# Allegro board RK_TABLET_DEMO1_RK3576_LP4XD200P132SD6_V12_20240530YWQ.brd
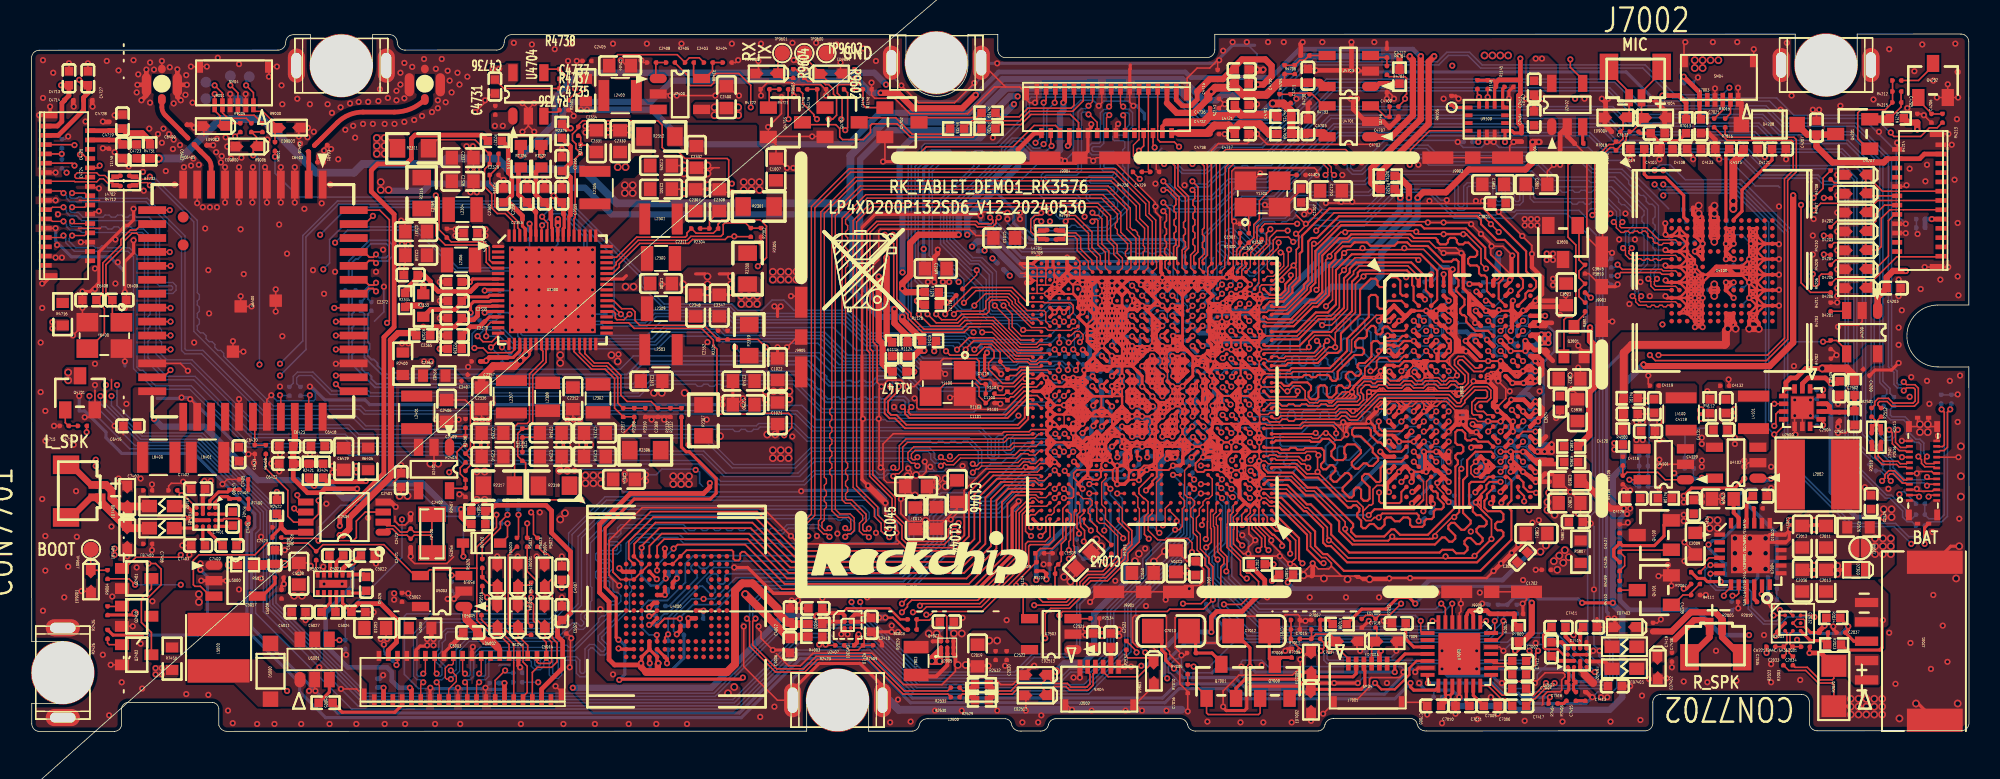
[diagram p0: board, top side]
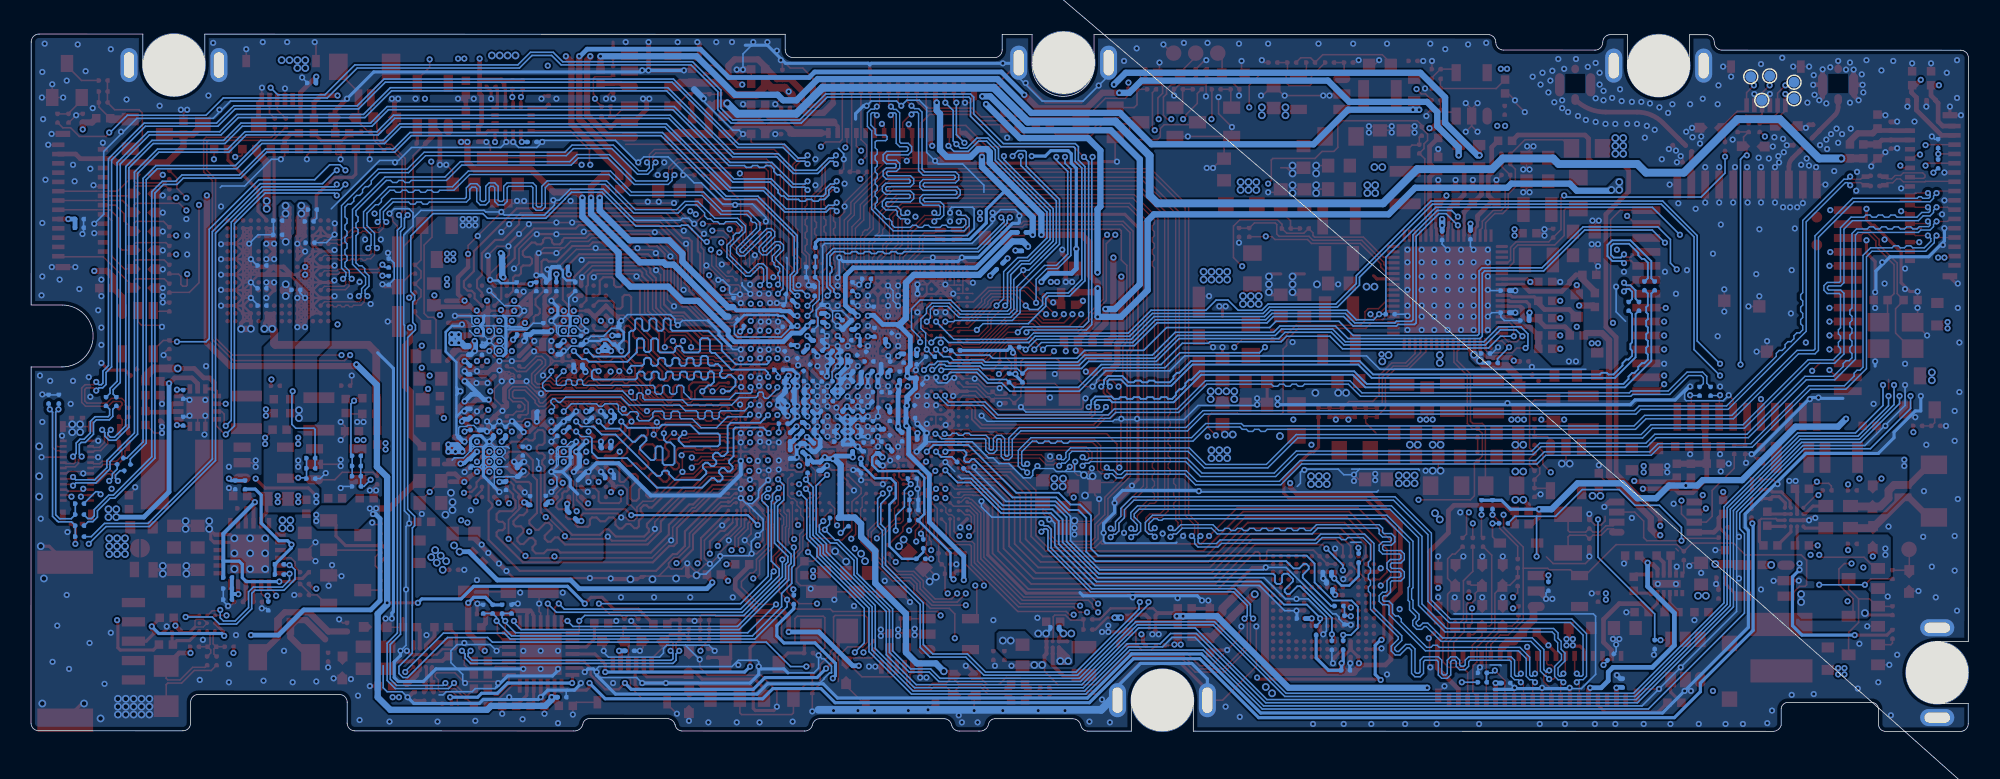
[diagram p1: board, bottom side, seen from below]

Outline 125.02 x 45.04 mm; copper layers: TOP, L2-GND, L3-POWER, L4-SIG, L5-GND, BOTTOM. Coordinates in mm from the lower left corner of the outline.
Outline path: 0,43.5 arc(0.15,43.85) 0.5,44 15.9,44.01 arc(16.25,44.15) 16.4,44.51 arc(16.55,44.86) 16.9,45.01 18,45.01 18,43.01 arc(20,41.01) 22,43.01 22,45.01 23.1,45.01 arc(23.45,44.86) 23.6,44.51 arc(23.75,44.15) 24.1,44.01 30,44.01 arc(30.35,44.16) 30.5,44.51 arc(30.65,44.86) 31,45.01 56.42,45.02 56.42,43.02 arc(58.42,41.02) 60.42,43.02 60.42,45.02 62.35,45.02 62.35,44.02 arc(62.5,43.67) 62.85,43.52 75.85,43.53 arc(76.2,43.67) 76.35,44.03 76.35,45.03 113.8,45.04 113.8,43.04 arc(115.8,41.04) 117.8,43.04 117.8,45.04 124.5,45.04 arc(124.85,44.9) 125,44.54 125.01,27.54 123.01,27.54 arc(121.01,25.54) 123.01,23.54 125.01,23.54 125.02,0.54 arc(124.87,0.19) 124.52,0.04 115.22,0.04 arc(114.86,0.19) 114.72,0.54 114.71,1.89 arc(114.57,2.24) 114.21,2.39 105.11,2.39 arc(104.76,2.24) 104.61,1.89 104.62,0.54 arc(104.47,0.18) 104.12,0.04 90.02,0.03 arc(89.64,0.12) 89.42,0.43 arc(89.29,0.7) 89.02,0.83 84.02,0.83 arc(83.66,0.73) 83.46,0.43 arc(83.31,0.15) 83.02,0.03 75.09,0.03 arc(74.77,0.14) 74.6,0.43 arc(74.42,0.71) 74.11,0.83 66.11,0.82 arc(65.79,0.71) 65.62,0.42 arc(65.44,0.14) 65.13,0.02 63.84,0.02 arc(63.47,0.12) 63.24,0.42 arc(63.11,0.69) 62.84,0.82 57.84,0.82 arc(57.49,0.72) 57.28,0.42 arc(57.13,0.14) 56.84,0.02 54.02,0.02 54.01,2.02 arc(52.01,4.02) 50.01,2.02 50.02,0.02 12.68,0 arc(12.31,0.1) 12.08,0.4 12.08,1.47 arc(11.96,1.75) 11.68,1.87 6.21,1.87 arc(6.21,1.87) 6.21,1.87 arc(5.93,1.74) 5.81,1.47 5.81,0.4 arc(5.66,0.12) 5.37,0 0.52,0 arc(0.16,0.15) 0.02,0.5 0.01,1.8 2.01,1.8 arc(4.01,3.8) 2.01,5.8 0.01,5.8 0,43.5

## Design rules (mm)
net group AP627XP_PCIE_RXN: nets AP627XP_PCIE_RXN PCIE0_TXN
net group AP627XP_PCIE_RXP: nets AP627XP_PCIE_RXP PCIE0_TXP
net group AP627XP_PCIE_TXN: nets AP627XP_PCIE_TXN PCIE0_RXN
net group AP627XP_PCIE_TXP: nets AP627XP_PCIE_TXP PCIE0_RXP
net group AP627XP_REFCLKN: nets AP627XP_REFCLKN PCIE0_REFCLKN
net group AP627XP_REFCLKP: nets AP627XP_REFCLKP PCIE0_REFCLKP
net group DP_TX_AUXN: nets DP_TX_AUXN TYPEC_SBU2
net group DP_TX_AUXP: nets DP_TX_AUXP TYPEC_SBU1
net group EMMC_CLKOUT: nets EMMC_CLKOUT N19625813
net group EMMC_DATA_STROBE: nets EMMC_DATA_STROBE N28311256
net group FLASH_LED_EN: nets FLASH_LED_EN N31549612
net group LED_CTRL_R: nets LED_CTRL_R N31550249
net group LED_R: nets LED_R N31550220
net group MIPI_DPHY_CSI0_RX_CLKN: nets MIPI_DPHY_CSI0_RX_CLKN MIPI_DPHY_CSI0_RX_CLKNJ
net group MIPI_DPHY_CSI0_RX_CLKP: nets MIPI_DPHY_CSI0_RX_CLKP MIPI_DPHY_CSI0_RX_CLKPJ
net group MIPI_DPHY_CSI3_RX_CLKN: nets MIPI_DPHY_CSI3_RX_CLKN MIPI_DPHY_CSI3_RX_CLKNJ
net group MIPI_DPHY_CSI3_RX_CLKP: nets MIPI_DPHY_CSI3_RX_CLKP MIPI_DPHY_CSI3_RX_CLKPJ
net group SDMMC0_CLK: nets N19625788 SDMMC0_CLK
net group SDMMC0_CMD: nets SD_CMD SDMMC0_CMD
net group SDMMC0_D0: nets SD_D0 SDMMC0_D0
net group SDMMC0_D1: nets SD_D1 SDMMC0_D1
net group SDMMC0_D2: nets SD_D2 SDMMC0_D2
net group SDMMC0_D3: nets SD_D3 SDMMC0_D3
net group TYPEC_TX1N: nets TYPEC_TX1N USB3_OTG0_SSTX1N/DP_TX_D1N
net group TYPEC_TX1P: nets TYPEC_TX1P USB3_OTG0_SSTX1P/DP_TX_D1P
net group TYPEC_TX2N: nets TYPEC_TX2N USB3_OTG0_SSTX2N/DP_TX_D3N
net group TYPEC_TX2P: nets TYPEC_TX2P USB3_OTG0_SSTX2P/DP_TX_D3P
net group VCC_1V2_CAM: nets N31528943 VCC_1V2_CAM
net group DDR_CA: nets LPDDR4_CSN0_A LPDDR4_CSN0_B LPDDR4_CSN1_A LPDDR4_CSN1_B LPDDR4_RESET
net group F_LED+: nets F_LED+
net group LEDK: nets N31696650
net group M_DDR_A_CA: nets LPDDR4_A0_A LPDDR4_A1_A LPDDR4_A2_A LPDDR4_A3_A LPDDR4_A4_A LPDDR4_A5_A LPDDR4_CKE0_A LPDDR4_CKE1_A
net group M_DDR_A_CLK_DQS: nets LPDDR4_CLKN_A LPDDR4_CLKP_A LPDDR4_DQS1N_A LPDDR4_DQS1P_A
net group M_DDR_A_DATA0: nets LPDDR4_DMI0_A LPDDR4_DQ0_A LPDDR4_DQ1_A LPDDR4_DQ2_A LPDDR4_DQ3_A LPDDR4_DQ4_A LPDDR4_DQ5_A LPDDR4_DQ6_A LPDDR4_DQ7_A
net group M_DDR_A_DATA1: nets LPDDR4_DMI1_A LPDDR4_DQ8_A LPDDR4_DQ9_A LPDDR4_DQ10_A LPDDR4_DQ11_A LPDDR4_DQ12_A LPDDR4_DQ13_A LPDDR4_DQ14_A LPDDR4_DQ15_A
net group M_DDR_B_CA: nets LPDDR4_A0_B LPDDR4_A1_B LPDDR4_A2_B LPDDR4_A3_B LPDDR4_A4_B LPDDR4_A5_B LPDDR4_CKE0_B LPDDR4_CKE1_B
net group M_DDR_B_CLK_DQS: nets LPDDR4_CLKN_B LPDDR4_CLKP_B LPDDR4_DQS0N_B LPDDR4_DQS0P_B LPDDR4_DQS1N_B LPDDR4_DQS1P_B
net group M_DDR_B_DATA0: nets LPDDR4_DMI0_B LPDDR4_DQ0_B LPDDR4_DQ1_B LPDDR4_DQ2_B LPDDR4_DQ3_B LPDDR4_DQ4_B LPDDR4_DQ5_B LPDDR4_DQ6_B LPDDR4_DQ7_B
net group M_DDR_B_DATA1: nets LPDDR4_DMI1_B LPDDR4_DQ8_B LPDDR4_DQ9_B LPDDR4_DQ10_B LPDDR4_DQ11_B LPDDR4_DQ12_B LPDDR4_DQ13_B LPDDR4_DQ14_B LPDDR4_DQ15_B
net group MIPI_CSI0: nets MIPI_DPHY_CSI0_RX_D0N MIPI_DPHY_CSI0_RX_D0P MIPI_DPHY_CSI0_RX_D1N MIPI_DPHY_CSI0_RX_D1P
net group MIPI_CSIS3: nets MIPI_DPHY_CSI3_RX_D0N MIPI_DPHY_CSI3_RX_D0P MIPI_DPHY_CSI3_RX_D1N MIPI_DPHY_CSI3_RX_D1P MIPI_DPHY_CSI3_RX_D2N MIPI_DPHY_CSI3_RX_D2P MIPI_DPHY_CSI3_RX_D3N MIPI_DPHY_CSI3_RX_D3P
net group MIPI_DPHY_CSI_PWREN_H: nets MIPI_DPHY_CSI_PWREN_H N31528669 N31528937
net group MIPI_DSI: nets MIPI_DPHY_DSI_TX_CLKN MIPI_DPHY_DSI_TX_CLKP MIPI_DPHY_DSI_TX_D0N MIPI_DPHY_DSI_TX_D0P MIPI_DPHY_DSI_TX_D1N MIPI_DPHY_DSI_TX_D1P MIPI_DPHY_DSI_TX_D2N MIPI_DPHY_DSI_TX_D2P MIPI_DPHY_DSI_TX_D3N MIPI_DPHY_DSI_TX_D3P
net group RF: nets N17044498 N17044505 N18483775 N21504287
net group TYPEC_DM: nets N22367504 TYPEC_DM USB2_OTG0_DM
net group TYPEC_DP: nets N22367501 TYPEC_DP USB2_OTG0_DP
net group USB20_HOST_DM: nets N22367536 USB2_HOST1_DM USB20_HOST_DM
net group USB20_HOST_DP: nets N22367533 USB2_HOST1_DP USB20_HOST_DP
net group VCC_2V0_PLDO_S3: nets N32076662
net group VCC_2V8_AF: nets VCC_2V8_AF VCC_2V8_CAM VCC_2V8_CAM_P

## Placement (name value [footprint] x y rotation side)
ANT6401  WIFI_ANT  [SANDAI_WIFI_ANT]  8.41 40.82 90 top
ANT6402  WIFI_ANT  [SANDAI_WIFI_ANT]  25.38 40.82 90 top
C1000  100nF  [C0201]  71.91 24.1 135 bottom
C1001  100nF  [C0201]  71.7 22.61 180 bottom
C1002  1uF  [C0201]  73.01 22.62 0 bottom
C1003  1uF  [C0201]  73.57 21.97 0 bottom
C1004  1uF  [C0201]  70.95 23.9 180 bottom
C1005  1uF  [C0201]  71.7 23.21 180 bottom
C1007  22uF  [C0603]  48.03 36.3 90 top
C1009  100nF  [C0201]  74.24 24.59 180 bottom
C1010  1uF  [C0201]  73.02 24.57 180 bottom
C1011  1uF  [C0201]  73.02 23.92 180 bottom
C1013  22uF  [C0603]  62.77 31.88 180 top
C1015  100nF  [C0201]  71.72 21.32 0 bottom
C1016  100nF  [C0201]  71.99 20.39 270 bottom
C1017  1uF  [C0201]  71.34 20.39 270 bottom
C1018  1uF  [C0201]  70.54 21.11 225 bottom
C1021  22uF  [C0603]  48.14 20.55 270 top
C1022  22uF  [C0603]  48.14 23.39 90 top
C1023  1uF  [C0201]  70.44 23.28 180 bottom
C1024  100nF  [C0201]  72.63 20.38 270 bottom
C1026  100nF  [C0201]  72.92 19.37 180 bottom
C1027  1uF  [C0201]  74.21 19.37 0 bottom
C1028  1uF  [C0201]  74.21 20.02 0 bottom
C1030  22uF  [C0603]  71.71 10.24 0 top
C1032  100nF  [C0201]  70.42 18.72 180 bottom
C1033  100nF  [C0201]  70.69 19.76 90 bottom
C1034  1uF  [C0201]  71.28 18.37 270 bottom
C1035  1uF  [C0201]  71.71 19.37 0 bottom
C1037  22uF  [C0603]  57.03 13.77 270 top
C1038  1uF  [C0201]  73.56 21.34 0 bottom
C1039  1uF  [C0201]  73.99 22.88 270 bottom
C1040  1uF  [C0201]  70.41 21.92 180 bottom
C1041  1uF  [C0201]  72.9 18.72 180 bottom
C1042  1uF  [C0201]  69.8 19.33 225 bottom
C1043  22uF  [C0603]  67.9 11.05 225 top
C1044  22uF  [C0603]  58.4 13.79 270 top
C1045  22uF  [C0603]  57.08 15.82 180 top
C1046  22uF  [C0603]  59.72 15.52 270 top
C1100  18pF  [C0201]  61.85 22.43 0 top
C1101  18pF  [C0201]  61.85 21.21 0 top
C1102  100nF  [C0201]  69.58 23.6 90 bottom
C1103  100nF  [C0201]  68.71 24.1 270 bottom
C1104  100nF  [C0201]  68.96 22.96 90 bottom
C1105  100nF  [C0201]  67.69 22.63 225 bottom
C1106  100nF  [C0201]  67.86 23.99 270 bottom
C1107  100nF  [C0201]  75.36 24.31 315 bottom
C1108  1nF  [C0201]  66.17 11.51 180 top
C1109  1nF  [C0201]  65.05 11.51 0 top
C1110  1nF  [C0201]  68.05 14.96 180 bottom
C1111  1nF  [C0201]  68.15 16.33 180 bottom
C1116  100nF  [C0201]  70.41 17.67 270 bottom
C1117  100nF  [C0201]  69.29 21.89 0 bottom
C1118  100nF  [C0201]  69.68 25.53 135 bottom
C1119  100nF  [C0201]  62.31 23.7 225 top
C1120  1nF  [C0201]  66.98 24.21 0 bottom
C1200  100nF  [C0201]  76.13 22.62 0 bottom
C1201  1uF  [C0201]  76.16 20.7 0 bottom
C1202  1uF  [C0201]  97.74 10.44 180 top
C1203  10uF  [C0402]  75.11 10.54 90 top
C1204  22uF  [C0603]  73.84 11 90 top
C1206  100nF  [C0201]  74.86 22.63 180 bottom
C1207  10uF  [C0402]  81.92 34.62 90 top
C1208  1uF  [C0201]  74.87 21.32 180 bottom
C1209  1uF  [C0201]  74.86 21.97 180 bottom
C1210  22uF  [C0603]  83.85 34.92 0 top
C1212  1uF  [C0201]  76.02 19.01 270 bottom
C1213  1uF  [C0201]  75.25 19.68 270 bottom
C1214  1uF  [C0201]  74.5 18.34 270 bottom
C1215  1uF  [C0201]  76.13 21.36 0 bottom
C1216  1uF  [C0201]  76.13 21.97 0 bottom
C1217  1uF  [C0201]  74.96 23.49 135 bottom
C1300  1uF  [C0201]  74.24 25.25 180 bottom
C1301  18pF  [C0201]  78.26 32.79 180 top
C1302  1uF  [C0201]  76.23 26.14 0 bottom
C1304  18pF  [C0201]  81.92 35.94 0 top
C1305  1uF  [C0201]  76.25 27.33 45 bottom
C1307  100nF  [C0201]  76.18 24.76 315 bottom
C1308  1uF  [C0201]  67.56 18.87 180 bottom
C1309  100nF  [C0201]  71.45 16.97 270 bottom
C1310  1uF  [C0201]  79.23 26.39 225 bottom
C1311  1uF  [C0201]  79.68 27.71 90 bottom
C1400  1uF  [C0201]  72.37 25.27 180 bottom
C1402  1uF  [C0201]  73.94 26.15 270 bottom
C1404  100nF  [C0201]  74.7 29.34 0 bottom
C1405  100nF  [C0201]  72.37 26.56 180 bottom
C1406  100nF  [C0201]  74 27.28 90 bottom
C1408  100nF  [C0201]  72.01 27.44 90 bottom
C1503  1uF  [C0201]  72.34 25.96 0 bottom
C1504  1uF  [C0201]  71.33 24.73 225 bottom
C1506  1uF  [C0201]  70.59 25.78 90 bottom
C1507  100nF  [C0201]  68.81 19.02 270 bottom
C1509  1uF  [C0201]  70.64 27.15 90 bottom
C1510  1uF  [C0201]  68.25 20.24 180 bottom
C1700  1uF  [C0201]  69.6 20.34 270 bottom
C1701  100nF  [C0201]  68.2 21.26 225 bottom
C1800  100nF  [C0201]  75.22 18.32 90 bottom
C1801  100nF  [C0201]  69.27 17.91 225 bottom
C1802  100nF  [C0201]  74.54 26.18 270 bottom
C1901  1uF  [C0201]  72 18.37 90 bottom
C1903  1uF  [C0201]  74.1 17.12 270 bottom
C2008  10uF  [C0603]  109.13 15.02 180 top
C2009  10uF  [C0603]  107.35 12.13 270 top
C2010  47nF  [C0201]  111.42 14.41 180 top
C2011  10uF  [C0603]  115.78 12.58 90 top
C2012  10uF  [C0603]  114.26 12.58 90 top
C2013  22uF  [C0603]  115.78 9.74 90 top
C2015  100nF  [C0201]  58.96 6.73 0 bottom
C2017  4.7uF  [C0402]  111.52 15.2 0 top
C2019  22uF  [C0603]  61.04 4.9 270 top
C2020  100nF  [C0201]  62.21 4.9 270 top
C2032  1uF  [C0201]  115.63 6.38 180 top
C2033  100nF  [C0201]  113.35 5.47 180 top
C2034  100nF  [C0201]  114.46 5.47 0 top
C2035  100nF  [C0201]  112.23 5.47 0 top
C2036  22uF  [C0603]  114.26 9.74 270 top
C2037  100pF  [C0201]  116.75 6.38 0 top
C2040  10uF  [C0402]  59.06 7.09 0 top
C2300  22uF  [C0603]  40.62 28.93 0 top
C2301  22uF  [C0603]  40.62 35.03 0 top
C2307  22uF  [C0603]  42.85 34.31 90 top
C2308  22uF  [C0603]  44.38 34.31 90 top
C2309  22uF  [C0603]  58.35 29.9 180 top
C2311  1uF  [C0201]  42.85 32.49 180 top
C2312  22uF  [C0603]  34.93 21.51 270 top
C2313  22uF  [C0603]  40.01 22.63 0 top
C2315  22uF  [C0603]  36.35 19.28 180 top
C2316  22uF  [C0603]  36.35 17.75 180 top
C2317  100pF  [C0201]  38.18 20.6 90 top
C2324  10uF  [C0402]  28.32 32.18 180 top
C2325  22uF  [C0603]  40.62 36.55 0 top
C2327  22uF  [C0603]  27.82 37.06 0 top
C2328  22uF  [C0603]  27.82 35.53 0 top
C2329  100pF  [C0201]  29.85 37.31 0 top
C2330  22uF  [C0603]  37.98 38.12 90 top
C2331  22uF  [C0603]  36.45 38.12 90 top
C2332  NC/22uF  [C0603]  42.9 37.11 270 top
C2334  1uF  [C0201]  35.28 38.76 90 top
C2335  10uF  [C0402]  27.31 29.03 180 top
C2336  22uF  [C0603]  29.04 21.51 270 top
C2337  22uF  [C0603]  24.82 32.28 180 top
C2338  22uF  [C0603]  24.82 30.76 180 top
C2339  22uF  [C0603]  29.75 19.28 180 top
C2340  22uF  [C0603]  29.75 17.75 180 top
C2344  NC/10uF  [C0603]  38.23 16.28 0 top
C2345  22uF  [C0603]  33.51 17.75 0 top
C2346  22uF  [C0603]  33.51 19.28 0 top
C2347  22uF  [C0603]  44.38 27.51 90 top
C2348  22uF  [C0603]  42.85 27.51 90 top
C2349  NC/22uF  [C0603]  45.95 22.63 180 top
C2350  NC/22uF  [C0603]  45.95 21.11 180 top
C2351  1uF  [C0201]  31.68 17.75 270 top
C2352  1uF  [C0201]  44.3 25.6 270 top
C2353  2.2uF  [C0402]  33.1 34.62 90 top
C2354  1uF  [C0201]  33.96 32.03 270 bottom
C2355  2.2uF  [C0402]  34.22 34.62 90 top
C2356  2.2uF  [C0402]  34.22 36.65 90 top
C2357  1uF  [C0201]  28.68 23.9 180 top
C2358  2.2uF  [C0402]  31.98 34.62 90 top
C2359  1uF  [C0201]  32.13 32.08 270 bottom
C2360  2.2uF  [C0402]  30.46 34.62 90 top
C2362  1uF  [C0201]  31.17 24.41 180 bottom
C2363  2.2uF  [C0402]  27.31 25.58 180 top
C2364  1uF  [C0201]  29.9 27.05 0 bottom
C2365  2.2uF  [C0402]  27.31 26.69 180 top
C2366  10nF  [C0201]  37.32 26.95 180 bottom
C2367  1uF  [C0201]  28.63 26.54 0 bottom
C2368  1nF  [C0201]  41.23 20.6 270 top
C2369  100nF  [C0201]  26.8 32.18 90 top
C2370  2.2uF  [C0402]  27.31 27.81 180 top
C2371  1uF  [C0201]  29.9 28.47 0 bottom
C2372  2.2uF  [C0402]  24.46 29.49 180 top
C2400  10uF  [C0603]  44.83 40.97 90 top
C2401  4.7uF  [C0402]  23.85 16.23 90 top
C2402  100pF  [C0201]  28 16.54 270 top
C2403  100pF  [C0201]  42.45 43.2 0 top
C2404  22uF  [C0603]  37.98 43 0 top
C2405  100nF  [C0201]  35.84 43.31 180 top
C2406  22uF  [C0603]  26.78 20.71 270 top
C2407  100nF  [C0201]  27.94 22.83 45 top
C2408  NC/100nF  [C0201]  40.01 43.2 180 top
C2409  NC/100nF  [C0201]  28 19.9 90 top
C2410  10uF  [C0402]  54.18 6.88 270 top
C2412  10uF  [C0402]  50.57 7.95 180 top
C2413  10uF  [C0402]  96.95 41.58 270 top
C2414  10uF  [C0402]  96.95 39.6 90 top
C2421  12pF  [C0201]  24.46 12.17 90 top
C2422  NC/12pF  [C0201]  24.46 13.39 270 top
C2423  100nF  [C0201]  15.83 13.18 180 top
C2500  100nF  [C0201]  121.88 13.29 0 bottom
C2501  100nF  [C0201]  121.88 14 0 bottom
C2502  100nF  [C0402]  116.67 22.17 270 top
C2503  10uF  [C0402]  117.63 20.24 270 top
C2504  100nF  [C0201]  116.67 20.34 270 top
C2505  1uF  [C0201]  116.11 23.8 90 top
C2506  220pF  [C0201]  115.19 21.77 270 bottom
C2507  220pF  [C0201]  115.19 20.04 90 bottom
C2508  100nF  [C0201]  119.51 21.31 270 bottom
C2509  100nF  [C0201]  120.17 21.31 270 bottom
C2510  100nF  [C0201]  118.8 17.04 315 bottom
C2511  100nF  [C0201]  119.26 17.45 315 bottom
C2521  4.7uF  [C0402]  68.52 5.88 90 top
C2522  1uF  [C0201]  62.92 4.9 270 top
C2523  100nF  [C0402]  69.63 5.88 90 top
C2524  2.2uF  [C0402]  118.7 14.81 90 top
C3800  NC/1nF  [C0201]  96.36 19.47 180 bottom
C3801  22uF  [C0603]  97.11 35.33 0 top
C3802  10uF  [C0603]  99.24 14.76 0 top
C3803  10uF  [C0603]  94.31 35.33 180 top
C3804  1uF  [C0402]  94.67 34.11 180 top
C3805  1uF  [C0402]  99.65 13.54 0 top
C3806  100nF  [C0201]  89.52 25.27 270 bottom
C3807  100nF  [C0201]  87.69 16.38 0 bottom
C3808  100nF  [C0201]  93.64 16.75 90 bottom
C3809  100nF  [C0201]  92.81 14.91 270 bottom
C3810  100nF  [C0201]  89.88 17.72 180 bottom
C3811  100nF  [C0201]  93.68 28.73 90 bottom
C3812  100nF  [C0201]  94.37 15.88 90 bottom
C3813  100nF  [C0201]  91.78 28.73 90 bottom
C3814  100nF  [C0201]  95.91 24.61 270 bottom
C3815  100nF  [C0201]  95.18 19.39 90 bottom
C3816  100nF  [C0201]  91.96 26.09 270 bottom
C3817  100nF  [C0201]  89.9 28.73 90 bottom
C3818  100nF  [C0201]  96.66 17.32 90 bottom
C3819  100nF  [C0201]  91.8 14.93 270 bottom
C3820  10uF  [C0603]  99.24 16.18 180 top
C3821  22uF  [C0603]  97.11 12.78 180 top
C3822  10uF  [C0603]  99.24 22.78 0 top
C3823  10uF  [C0603]  99.02 28.23 270 top
C3824  1uF  [C0402]  98.63 21.21 270 top
C3825  1uF  [C0402]  96.19 11.25 225 top
C3826  100nF  [C0201]  87.68 24.99 180 bottom
C3827  100nF  [C0201]  96.69 23.35 270 bottom
C3828  100nF  [C0201]  87.63 20.35 0 bottom
C3829  100nF  [C0201]  96.68 20.55 90 bottom
C3830  100nF  [C0201]  88.83 20.54 270 bottom
C3831  100nF  [C0201]  90.1 13.94 225 bottom
C3832  100nF  [C0201]  90.66 30 0 bottom
C3833  100nF  [C0201]  89.72 23.67 0 bottom
C3834  100nF  [C0201]  91.06 19.38 90 bottom
C3835  100nF  [C0201]  93.29 18.11 270 bottom
C3836  10uF  [C0603]  99.75 20.75 90 top
C3837  100nF  [C0201]  93.37 25.64 180 bottom
C3838  100nF  [C0201]  91.02 24.64 270 bottom
C3839  100nF  [C0201]  96.78 24.61 270 bottom
C3840  100nF  [C0201]  94.4 19.39 90 bottom
C3841  100nF  [C0201]  87.11 25.85 90 bottom
C3842  100nF  [C0201]  90.29 19.93 90 bottom
C3843  100nF  [C0201]  97.43 18.73 90 bottom
C3844  100nF  [C0201]  87.91 18.31 0 bottom
C3845  NC/1nF  [C0201]  100.24 29.85 270 top
C4000  100nF  [C0201]  41.38 10.29 0 bottom
C4001  100nF  [C0201]  40.19 3.95 180 bottom
C4002  4.7uF  [C0402]  48.95 7.49 90 top
C4003  NC/10pF  [C0201]  41.07 5.56 270 bottom
C4004  100nF  [C0201]  43.06 7.29 0 bottom
C4005  100nF  [C0201]  41.23 9.37 45 bottom
C4006  4.7uF  [C0402]  48.93 5.52 270 top
C4007  2.2uF  [C0402]  34.22 10.24 90 top
C4100  100nF  [C0201]  107.01 31.57 180 bottom
C4101  100nF  [C0201]  107.06 32.94 180 bottom
C4102  1uF  [C0201]  106.86 33.71 180 bottom
C4103  4.7uF  [C0402]  105.44 37.62 180 top
C4105  100nF  [C0201]  107.93 28.52 180 bottom
C4106  100nF  [C0201]  109.1 32.99 0 bottom
C4107  1uF  [C0201]  109.1 32.08 0 bottom
C4108  4.7uF  [C0402]  107.27 37.62 180 top
C4109  NC  [C0201]  101.93 29.13 270 bottom
C4110  1nF  [C0201]  101.93 30.25 90 bottom
C4112  100nF  [C0201]  110.11 28.63 0 bottom
C4113  100nF  [C0201]  110.11 27.51 0 bottom
C4114  1uF  [C0201]  110.11 30.1 0 bottom
C4115  10uF  [C0402]  110.92 37.62 0 top
C4116  4.7uF  [C0402]  104.3 19.39 0 top
C4117  100pF  [C0201]  104.02 17.8 180 bottom
C4118  10uF  [C0402]  104.71 21.02 270 top
C4119  100nF  [C0201]  104.71 22.34 180 top
C4120  10uF  [C0402]  103.19 20.51 0 top
C4121  2.2uF  [C0402]  112.75 37.62 0 top
C4122  2.2uF  [C0402]  103.61 37.62 180 top
C4123  2.2uF  [C0402]  109.1 37.62 180 top
C4124  10uF  [C0402]  107.25 14.51 90 top
C4125  100nF  [C0201]  102.47 11.87 270 top
C4126  10uF  [C0402]  103.36 15.06 180 top
C4127  100nF  [C0201]  102.47 13.09 90 top
C4128  NC/100nF  [C0201]  107.37 8.81 0 top
C4129  4.7uF  [C0402]  108.98 19.49 0 top
C4130  100pF  [C0201]  106.96 17.65 0 bottom
C4131  10uF  [C0402]  109.35 21.01 270 top
C4132  100nF  [C0201]  109.25 22.33 0 top
C4200  1uF  [C0201]  118.39 23.19 315 top
C4201  1uF  [C0201]  121.9 32.54 180 bottom
C4203  10uF  [C0402]  120.15 28.64 0 top
C4204  100nF  [C0201]  121.9 33.1 180 bottom
C4205  100nF  [C0201]  120.36 40.62 0 top
C4206  100nF  [C0201]  121.68 39.61 90 top
C4207  10uF  [C0402]  115.17 39 90 top
C4701  NC  [C0201]  80.53 40.88 90 top
C4702  1uF  [C0201]  87.61 38.73 90 top
C4703  4.7uF  [C0402]  82.36 39.1 90 top
C4707  NC/100nF  [C0201]  87.91 39.7 0 top
C4709  1uF  [C0201]  87.46 41.58 270 top
C4710  22pF  [C0201]  80.85 42.75 90 top
C4711  4.7uF  [C0402]  82.36 42.35 90 top
C4712  NC/100nF  [C0201]  87.46 43.81 90 top
C4713  10uF  [C0402]  2.42 42.19 90 top
C4714  100nF  [C0201]  2.42 40.77 0 top
C4715  100nF  [C0201]  76.53 42.44 90 top
C4716  10uF  [C0402]  78.09 42.76 0 top
C4717  10uF  [C0402]  78.09 38.59 0 top
C4718  100nF  [C0201]  76.33 38.58 0 top
C4719  10uF  [C0402]  5.87 39.39 90 top
C4720  100nF  [C0201]  5.01 39.09 90 top
C4721  10uF  [C0402]  78.09 40.46 0 top
C4722  100nF  [C0201]  76.33 40.26 0 top
C4723  10uF  [C0402]  5.87 37.46 270 top
C4724  100nF  [C0201]  5.01 37.92 270 top
C4725  10uF  [C0402]  78.09 41.84 0 top
C4726  100nF  [C0201]  76.33 40.87 0 top
C4727  10uF  [C0402]  3.64 42.19 90 top
C4728  100nF  [C0201]  3.64 40.77 0 top
C4729  NC/8pF  [C0201]  72.47 36.14 0 top
C4730  NC/8pF  [C0201]  1.96 37.97 90 bottom
C4731  1uF  [C0201]  29.93 40.12 90 top
C4735  NC/100nF  [C0201]  34.35 40.14 0 top
C4736  4.7uF  [C0402]  29.9 41.66 270 top
C4737  NC  [C0201]  34.34 41.53 0 top
C5002  NC/1uF  [C0201]  23.9 8.66 90 top
C5003  NC/10uF  [C0402]  28.31 6.38 180 top
C5008  10uF  [C0603]  17.25 10.18 90 top
C5009  100nF  [C0201]  16.13 8.86 90 top
C5010  2.2uF  [C0603]  22.18 6.68 0 top
C5011  4.7uF  [C0402]  17.23 7.71 0 top
C5014  100nF  [C0201]  34.22 6.32 0 top
C5015  100nF  [C0201]  31.37 3.78 0 bottom
C5017  100nF  [C0201]  15.98 9.93 0 top
C5018  10uF  [C0402]  15.71 11.26 90 top
C5019  100nF  [C0201]  22.33 3.12 90 bottom
C5020  100nF  [C0201]  29.85 3.12 180 bottom
C5021  10uF  [C0402]  34.22 7.64 90 top
C5022  2.2uF  [C0402]  21.7 11.36 0 top
C5023  1uF  [C0402]  19.67 11.36 180 top
C5024  2.2uF  [C0402]  21.09 7.71 0 top
C5026  1uF  [C0402]  21.6 9.53 270 top
C5027  1uF  [C0402]  19.16 7.71 180 top
C6400  NC  [C0201]  9.83 38.99 225 top
C6401  NC  [C0201]  18.88 38.07 315 top
C6402  10pF  [C0201]  10.29 38.12 315 top
C6403  10pF  [C0201]  18.06 37.65 225 top
C6405  NC  [C0201]  11.1 37.67 225 top
C6408  12pF  [C0402]  3.74 27.86 180 top
C6409  12pF  [C0402]  5.67 27.86 0 top
C6410  NC  [C0201]  18.16 36.76 0 top
C6411  100nF  [C0201]  20.91 28.78 270 bottom
C6412  100nF  [C0201]  20.25 28.78 270 bottom
C6413  100nF  [C0201]  21.26 27.46 270 bottom
C6414  100nF  [C0201]  21.92 27.46 270 bottom
C6415  4.7uF  [C0402]  6.38 19.74 180 top
C6416  100pF  [C0201]  17.35 21.97 90 bottom
C6417  100pF  [C0201]  16.64 21.97 90 bottom
C6418  100nF  [C0402]  18.47 18.41 180 top
C6419  22uF  [C0603]  20.15 17.6 270 top
C6420  4.7uF  [C0402]  13.39 17.91 270 top
C6421  NC  [C0201]  14.4 18.21 270 top
C6422  100nF  [C0402]  16.44 17.3 180 top
C6423  4.7uF  [C0402]  16.44 18.41 180 top
C7000  4.7uF  [C0402]  90.5 1.65 180 top
C7001  100nF  [C0201]  90.76 2.21 180 bottom
C7002  1uF  [C0402]  95.99 4.55 0 top
C7003  100nF  [C0201]  95.96 7.58 0 top
C7004  1uF  [C0402]  95.99 3.68 0 top
C7005  1uF  [C0402]  95.99 2.77 0 top
C7006  1uF  [C0402]  95.99 1.65 0 top
C7007  NC  [C0201]  94.01 7.9 90 bottom
C7008  NC  [C0201]  95.84 7.9 90 bottom
C7009  4.7uF  [C0402]  88.22 6.98 180 top
C7010  4.7uF  [C0402]  92.33 1.65 180 top
C7011  4.7uF  [C0402]  94.16 1.65 0 top
C7012  47uF  [C1206]  78.7 6.49 0 top
C7013  47uF  [C1206]  73.52 6.49 0 top
C7014  NC/100pF  [C0201]  82.87 5.98 0 top
C7015  1uF  [C0201]  82.87 7.2 180 top
C7016  100nF  [C0201]  74.6 2.77 270 top
C7017  NC/100nF  [C0201]  81.55 7.2 0 top
C7018  100nF  [C0201]  85.83 6.98 270 top
C7019  10uF  [C0402]  104.93 38.63 0 top
C7020  100pF  [C0201]  102.24 37.82 90 top
C7021  10uF  [C0402]  107.72 39.09 270 top
C7022  100nF  [C0201]  106.91 41.88 0 bottom
C7400  2.2uF  [C0402]  12.78 12.01 0 top
C7401  2.2uF  [C0402]  12.98 13.74 90 top
C7402  10uF  [C0402]  10.75 15.67 180 top
C7403  10uF  [C0402]  10.75 12.01 180 top
C7404  10nF  [C0201]  13.69 16.28 0 top
C7405  100pF  [C0201]  12.78 15.32 270 top
C7406  10nF  [C0201]  14 14.1 90 top
C7407  680pF  [C0201]  7.5 15.57 0 top
C7408  680pF  [C0201]  7.5 12.12 0 top
C7411  2.2uF  [C0402]  98.53 6.73 180 top
C7412  2.2uF  [C0402]  98.07 5.31 270 top
C7413  10uF  [C0402]  102.17 2.93 0 top